# KiCad board NoU2-panelized2.kicad_pcb (continued)
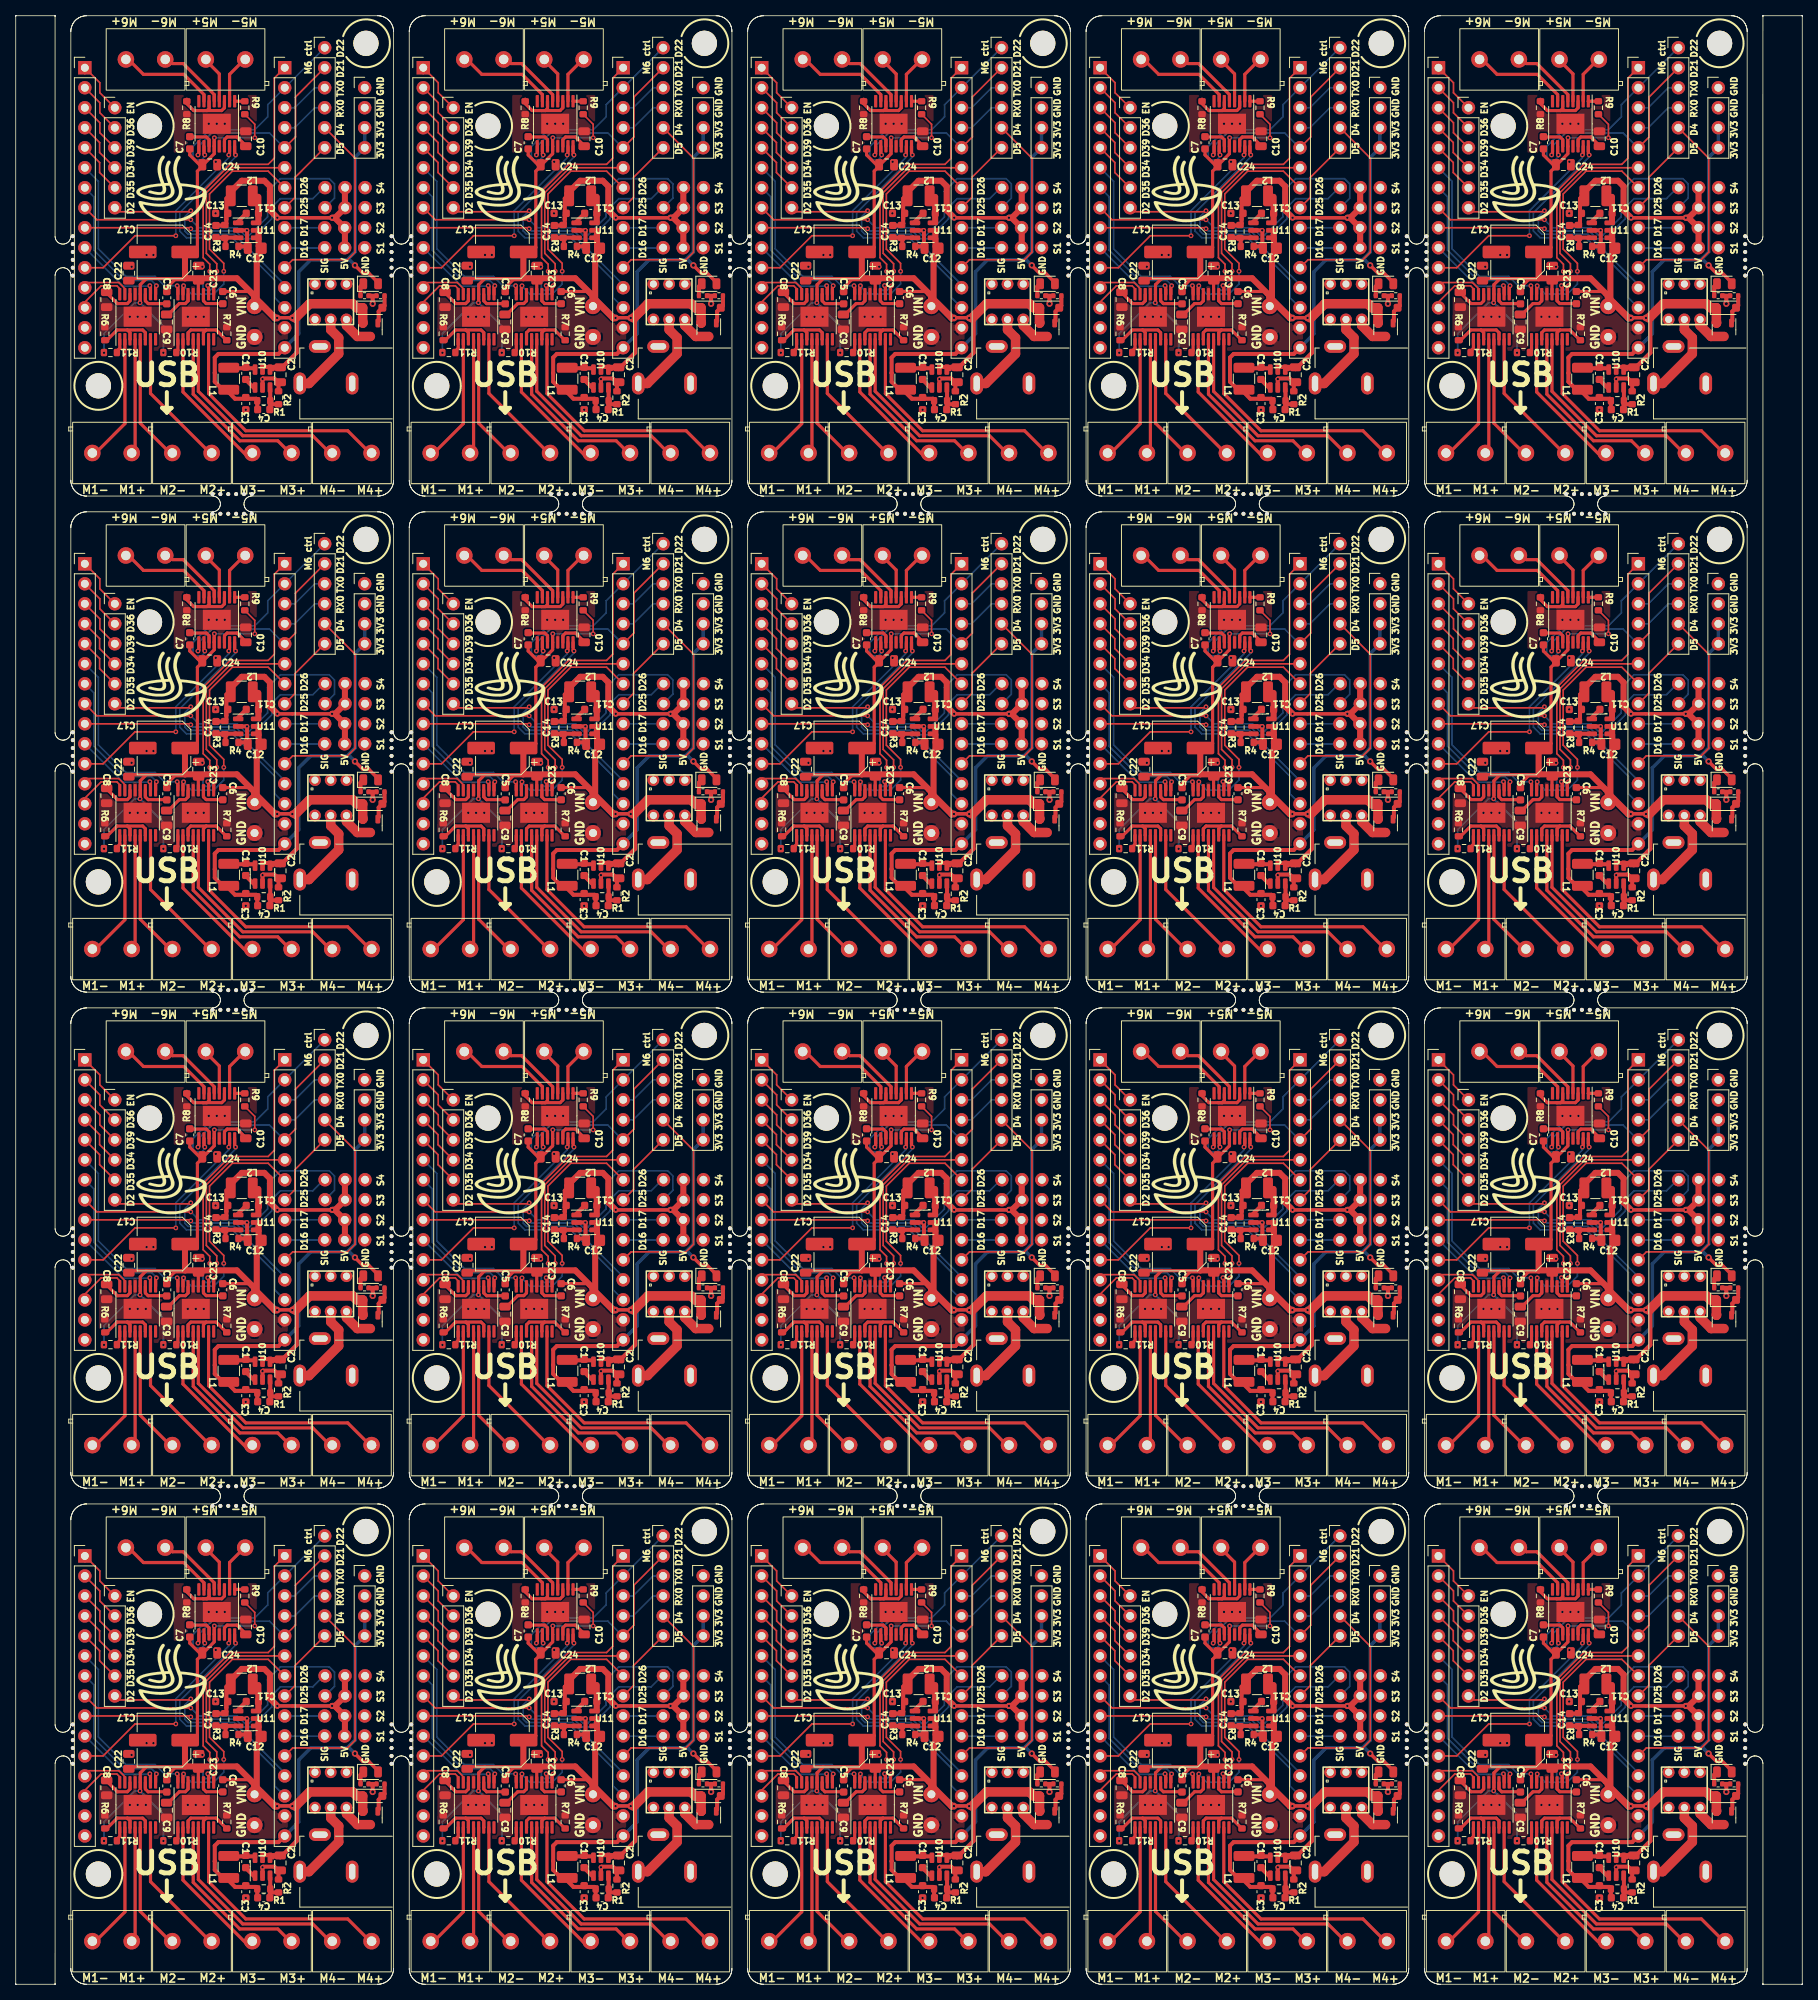
[diagram p0: board, top side]
## Routing (per net, layer and track width the routed paths; a pad name or vN(x,y) marks a point on that pad's centre or on a via; arc(x,y) is an arc through that point) (continued)
  Top w0.508: C11#20.2 157.08,34.7 157.06,34.7
Board_18-Net-(U11-FB): length 3.7
  Top w0.508: 157.06,32.8 157.04,32.82 C14#9.1 ; R3#6.2 155.65,32.69 R4#6.1
Board_18-Net-(U11-LX): length 3.5
  Top w0.508: 159.7,37.99 159.65,38.04 ; 159.68,35.75 C11#20.1 159.7,36.04
  Top w0.762: 159.83,34.81 159.83,35.86 ; 159.83,36.06 159.83,38
Board_18-RX0: length 6.1
  Bottom w0.203: J5#16.4 164.45,46.78 166.99,49.32 J1#19.4
Board_18-SRV1: length 5.1
  Top w0.203: 163.21,31.51 J5#16.10
  Bottom w0.203: 168.28,31.51 163.21,31.51
Board_18-SRV2: length 5.1
  Bottom w0.203: J5#16.9 168.25,34.08
Board_18-SRV3: length 41.8
  Top w0.203: J2#5.8 139.3,35.09 v2(151.24,35.09)
  Bottom w0.203: v2(151.24,35.09) 152.26,34.08 157.15,34.08 158.08,33.14 158.68,33.14 161,35.46 161,38.68 162.63,40.31 168.83,40.31 169.5,39.64 169.5,37.83 168.28,36.62
Board_18-SRV4: length 34.6
  Top w0.203: J2#5.9 151.15,34.08 v2(151.24,33.95)
  Bottom w0.203: v2(151.24,33.95) 151.52,33.67 156.91,33.67 157.91,32.68 158.99,32.68 161.53,35.22 161.53,36.67 162.63,37.77 166.75,37.77 168.13,39.16 168.28,39.16
Board_18-TX0: length 6.1
  Bottom w0.203: J5#16.3 164.45,49.32 166.99,51.86 J1#19.3
Board_18-VIN: length 119.5
  Top w0.203: v2(159.37,45.51) 159.37,47.22 R9#20.2
  Top w0.25: J14#20.1 159.74,24.51 159.74,25.1
  Top w0.399: C24#7.1 152.36,42.08 151.11,43.32 C7#4.1 ; C24#7.1 152.7,41.89 152.08,41.26 152.08,31.59 151.5,31 C17#20.1 ; C24#7.1 152.82,42.08 154.22,43.48 U2#10.12 154.21,44.43 154.21,45.51 ; 149.16,27.42 148.19,26.46 C5#19.1 ; 158.01,48.4 R9#20.2 ; 150.54,27.62 145.6,27.62 144.82,26.84 144.82,24.56 144.81,24.55 ; C6#12.1 158.78,25.98 159.04,25.72 ; 152.21,27.36 152.2,27.35 U3#14.12 ; C22#14.1 143.61,27.6 ; 143.65,27.62 145.63,27.62 ; 150.49,27.47 149.32,27.47
  Top w0.432: v2(162.21,22.62) 162.25,22.65 164.11,22.65 v2(164.14,22.62)
  Top w0.508: 160.65,16.4 161.27,16.4 ; 159.86,30.72 159.86,30.95 C12#4.2 ; 159.86,32.61 159.68,32.8 ; 161.53,16.27 161.69,16.11 ; 162.6,16.11 162.77,16.28 162.79,16.28 164.7,18.2 164.7,22.46 164.54,22.62 ; 162.52,16.41 161.61,16.41
  Top w0.762: C17#20.1 150.5,30.97 150.5,27.66 ; 159.85,32.7 159.85,33.65 ; 150.57,27.66 157.1,27.66 159.34,25.41 J14#20.1 159.62,24.4 159.62,30.48 159.86,30.72 159.86,32.61
  Top w0.864: v2(162.21,22.62) 161.93,22.62 159.34,25.21 159.34,25.41 ; 164.54,22.62 v2(164.14,22.62)
  Top w1.2: 173.11,22.12 Q1#9.2 173.09,22 D3#20.1 172.32,23.92 171.81,24.42 166.34,24.42 164.54,22.62
  Bottom w0.203: 154.21,45.51 v2(159.37,45.51) ; v2(140.22,18.2) 140.22,20.64 144.13,24.55 v2(144.79,24.55)
  Bottom w0.25: v2(144.79,24.55) 147.76,21.58 v2(147.76,18.2)
  Bottom w0.432: v2(162.21,22.62) 162.25,22.65 164.11,22.65 v2(164.14,22.62)
  vias: v2(154.24,45.51)
Board_19-3V3: length 60.9
  Top w0.432: v1(215.1,29.3) 216.1,28.3 216.85,28.3 218.04,27.11 D1#19.2
  Top w0.508: 199.07,13.37 198.94,13.5 198.94,13.29 199.87,12.36 202.56,12.36 202.81,12.11 ; 202.81,11.04 202.86,10.99 ; 199.2,13.25 198.56,13.25 197.29,14.52 197.29,15.63 197.29,15.63 197.29,17.59 197.75,18.05 205.39,18.05 J5#3.15 ; R1#2.1 202.69,11.04
  Bottom w0.432: J3#9.3 J3#9.4 215.11,43.01 215.11,31.01 214.12,30.01 ; v1(215.1,29.3) 214.39,30.01 214.12,30.01 ; 214.12,30.01 209.48,30.01 207.96,28.49 207.96,20.62 J5#3.15
Board_19-5V: length 40.3
  Top w0.432: v2(212.2,35.35) v2(205.24,35.35)
  Top w0.508: C14#16.2 198.5,34.37 R3#5.1 198.76,34.63 198.76,35.14 ; 199.11,38.14 198.76,37.79 198.76,35.14 ; 198.76,35.14 198.76,35.69 198.98,35.9 198.98,36.1
  Top w0.762: 213.82,31.51 213.82,34.05 212.53,35.35 v2(212.2,35.35) 212.58,35.35 213.82,36.59 213.82,39.16 ; v2(205.24,35.35) 204.3,36.29 204.3,39.33 203.59,40.05 201.58,40.05 201.58,40.04 200.72,40.04 199.11,38.43 199.11,38.14
  Bottom w0.432: v2(205.24,35.35) v2(212.2,35.35)
Board_19-/Sheet6057E9B8/D34: length 6.7
  Top w0.203: J4#20.4 182.66,43.63 182.66,44.9 J2#6.4
Board_19-/Sheet6057E9B8/D35: length 6.7
  Top w0.203: J4#20.5 182.66,41.09 182.66,42.36 J2#6.5
Board_19-/Sheet6057E9B8/D36: length 6.7
  Top w0.203: J2#6.2 182.68,49.95 182.68,48.68 J4#20.2
Board_19-/Sheet6057E9B8/D39: length 6.7
  Top w0.203: J4#20.3 182.68,46.14 182.68,47.41 J2#6.3
Board_19-/Sheet6057E9B8/EN: length 7.3
  Top w0.203: J4#20.1 182.68,51.22 182.68,52.49 J2#6.1
  Top w0.399: 180.78,53.76 J2#6.1
Board_19-D2: length 28.7
  Top w0.203: v2(194.24,36.24) 194.11,36.11 185.1,36.11 J4#20.6
  Bottom w0.203: J5#3.12 206.18,26.84 199.77,33.25 193.9,33.25 193.48,33.67 193.48,35.47 v2(194.24,36.24)
Board_19-D4: length 27.2
  Top w0.203: J5#3.11 207.19,30.01 214.15,30.01 215.12,30.98 215.12,42.92 J1#4.5
Board_19-D5: length 9.7
  Top w0.203: J5#3.8 207.5,37.94 207.5,40.48 J1#4.6
Board_19-GND: length 11.5
  Top w0.508: 201.32,10.98 201.33,10.98 ; R4#16.2 201.31,31.71 201.4,31.8 201.4,33.72 v2(201.38,33.75) 200.06,33.75 ; R5#8.2 217.1,25.44 ; 217.1,25.44 R14#9.2 ; 217.1,25.44 217.36,25.19 v1(217.36,24.42) ; R2#18.2 205.39,14.24 205.61,14.46 205.33,14.46 204.86,14.93 203.43,14.93 v2(203.36,14.86) 203.36,13.61
  vias: v2(186.49,22.77) v2(186.72,29.12) v2(187.5,22.77) v2(188.53,22.77) v2(188.63,30.62) v2(189.49,30.62) v2(193.86,22.77) v2(194.88,22.77) v2(195.71,29.12) v2(195.89,22.77) v2(196.53,47.28) v2(197.42,42.46) v2(197.39,35.9) v2(197.54,47.28) v2(198.56,47.28) v2(201.23,10.96)
Board_19-M1A: length 6.9
  Top w0.203: 185.22,25.64 185.22,26.33 184.85,26.7 182.85,26.7 180.78,24.63 J2#6.13
Board_19-M1B: length 6.8
  Top w0.203: J2#6.12 180.78,27.12 185.1,27.12 185.87,26.34 185.87,25.64
Board_19-M2A: length 11.3
  Top w0.399: 189.03,26.66 189.12,26.57 189.12,25.64
  Bottom w0.203: J2#6.10 185.66,26.66 189.03,26.66
  vias: v2(189.03,26.72)
Board_19-M2B: length 19.4
  Top w0.399: 189.77,25.64 189.77,26.56 189.87,26.66
  Bottom w0.203: J2#6.7 181.93,38 181.93,31.22 185.78,27.37 189.26,27.37 189.87,26.76 v2(189.87,26.71) 189.87,26.66 189.87,26.72
Board_19-M3A: length 24
  Top w0.399: 192.51,26.66 192.6,26.57 U3#19.16
  Bottom w0.203: v2(192.51,26.72) 190.88,26.72 189.7,27.9 186,27.9 182.5,31.4 182.5,39.97 J2#6.6
Board_19-M3B: length 30.9
  Top w0.203: J5#3.7 204.07,41.26 199.52,41.26 196.62,38.36 196.62,31.36 198.43,29.55 v2(198.43,28.54) ; 193.25,26.58 193.33,26.66
  Top w0.399: U3#19.15 193.25,26.58
  Bottom w0.203: v2(198.43,28.54) 198.43,26.93 197.15,25.65 194.34,25.65 193.33,26.66
  vias: v2(193.33,26.71)
Board_19-M4A: length 25.2
  Top w0.203: J5#3.6 199.39,41.7 196.22,38.53 196.22,30.83 197.54,29.5 v2(197.54,28.54)
  Top w0.399: 196.4,26.66 196.5,26.56 U3#19.10
  Bottom w0.203: v2(197.54,28.54) 197.54,27.82 196.4,26.67 196.4,26.66
  vias: v2(196.4,26.74)
Board_19-M4B: length 38.7
  Top w0.203: v2(196.65,28.54) 196.65,29.44 195.82,30.28 195.82,38.7 199.24,42.13 204.07,42.13 204.86,42.92 204.86,53.08 J5#3.1
  Top w0.399: U3#19.9 197.15,26.55 197.26,26.66
  Bottom w0.203: v2(197.29,26.71) 196.71,26.13 196.11,26.13 195.79,26.44 195.79,27.12 196.65,27.98 v2(196.65,28.54)
Board_19-M5A: length 32.5
  Top w0.399: 199.93,43.37 v2(199.93,43.32) 199.82,43.43 U2#18.16
  Bottom w0.203: v2(199.93,43.32) 199.93,43.07 192.84,35.98 192.84,33.65 193.69,32.81 199.51,32.81 204.91,27.41 204.91,25.19 206.18,23.92 J5#3.13
Board_19-M5B: length 27.4
  Top w0.203: J2#6.11 183.1,29 187.16,33.06 v2(192.34,33.06)
  Top w0.399: 199.07,43.37 199.17,43.47 U2#18.15
  Bottom w0.203: 199.07,43.37 199.07,42.97 192.34,36.24 v2(192.34,33.06)
  vias: v2(199.07,43.32)
Board_19-M6A: length 27.3
  Top w0.203: 211.25,56.94 J1#4.1
  Top w0.399: 196.02,43.37 195.92,43.47 U2#18.10
  Bottom w0.203: v2(196.02,43.32) 196.02,43.12 195.59,42.69 194.85,42.69 194.53,43.02 194.53,44.39 196.65,46.52 202.37,46.52 204.02,48.17 204.02,49.7 J5#3.2 211.25,56.94
Board_19-M6B: length 26.9
  Top w0.203: J5#3.5 207.55,45.61 207.55,50.69 J1#4.2
  Top w0.399: U2#18.9 195.27,43.49 195.16,43.37
  Bottom w0.203: 195.16,43.37 195.27,43.49 195.27,44.46 196.92,46.11 204.24,46.11 206.11,44.24 J5#3.5
  vias: v2(195.16,43.32)
Board_19-Net-(D1-K): length 1.7
  Top w0.508: R14#9.1 215.81,26.61 D1#19.1
Board_19-Net-(D3-A): length 3.7
  Top w0.508: 218.01,22.12 218.12,22.23 218.12,23.45 D3#16.2 218.86,24.19 R5#8.1
Board_19-Net-(J10-Pad1): length 11.3
  Top w1.2: 208.08,14.3 209.26,14.3 213.04,18.07 213.04,20.11 212.02,21.12 U4#9.5
Board_19-Net-(J11-Pin_1): length 14.9
  Top w0.399: 187.17,19.91 187.17,5.42 186.88,5.12
Board_19-Net-(J11-Pin_2): length 16.5
  Top w0.399: 185.87,19.91 185.87,9.2 181.8,5.12
Board_19-Net-(J15-Pin_1): length 18.1
  Top w0.399: 189.12,19.91 189.12,13.03 197.03,5.12
Board_19-Net-(J15-Pin_2): length 16.5
  Top w0.399: 191.96,5.12 187.82,9.25 187.82,19.91
Board_19-Net-(J16-Pin_1): length 22.9
  Top w0.399: U3#19.4 194.55,12.94 200.47,7.02 205.3,7.02 207.19,5.12
Board_19-Net-(J16-Pin_2): length 18.9
  Top w0.399: U3#19.2 193.25,13.22 201.35,5.12 202.12,5.12
Board_19-Net-(J17-Pin_1): length 31
  Top w0.399: 217.36,5.12 214.18,8.3 201.23,8.3 196.5,13.02 U3#19.7
Board_19-Net-(J17-Pin_2): length 27.1
  Top w0.399: U3#19.5 195.2,13.3 200.84,7.66 209.74,7.66 212.28,5.12
Board_19-Net-(J18-Pin_1): length 6.4
  Top w0.399: 196.15,55.79 196.15,55.34 197.87,53.61 U2#18.4
Board_19-Net-(J18-Pin_2): length 6.5
  Top w0.399: 201.23,55.79 201.23,55.62 199.17,53.56 U2#18.2
Board_19-Net-(J19-Pin_1): length 12.8
  Top w0.399: 185.99,55.79 188.22,53.56 193.35,53.56 195.92,50.99 U2#18.7
Board_19-Net-(J19-Pin_2): length 9
  Top w0.399: U2#18.5 197.22,50.99 193.28,54.93 191.93,54.93 191.07,55.79
Board_19-Net-(Q1-D): length 4.4
  Top w1.2: Q1#14.3 215.41,20.27 214.02,21.66 U4#9.6
Board_19-Net-(U1-AISEN): length 7.8
  Top w0.399: 183.7,19.66 183.7,19.91 184.89,21.1 186.18,21.1 ; 186.52,19.91 186.52,19.91 186.52,20.75 186.18,21.1 ; 186.18,21.1 188.13,21.1 188.47,20.75 188.47,19.91 188.47,19.91
Board_19-Net-(U1-nSLEEP): length 1.8
  Top w0.399: 184.78,18.33 185.22,18.77 185.22,19.91
Board_19-Net-(U1-VCP): length 3.7
  Top w0.399: 188.47,25.64 188.47,24.79 188.82,24.44 191.16,24.44 C5#20.2
Board_19-Net-(U1-VINT): length 4.6
  Top w0.399: C8#18.1 183.55,25.81 184.91,24.45 186.18,24.45 186.52,24.79 186.52,25.64
Board_19-Net-(U2-AISEN): length 8.5
  Top w0.399: U2#18.3 198.52,49.3 198.17,48.96 195.79,48.96 ; 195.79,48.96 196.3,48.96 196.57,49.23 U2#18.6 ; 195.79,48.96 194.61,48.96 193.73,49.84 193.73,50.4
Board_19-Net-(U2-nSLEEP): length 1.3
  Top w0.399: U2#18.1 199.82,50.14 R9#5.1
Board_19-Net-(U2-VCP): length 3.5
  Top w0.399: C7#7.2 194.15,45.61 196.22,45.61 196.57,45.27 U2#18.11
Board_19-Net-(U2-VINT): length 4.2
  Top w0.399: U2#18.14 198.52,45.27 198.86,45.61 200.12,45.61 201.23,44.51 C10#12.1
Board_19-Net-(U3-AISEN): length 7.8
  Top w0.399: 196.19,21.1 197.47,21.1 198.69,19.89 198.69,19.66 ; 196.19,21.1 194.24,21.1 193.9,20.75 U3#19.3 193.9,19.91 ; 196.19,21.1 195.85,20.75 U3#19.6 195.84,19.9
Board_19-Net-(U3-nSLEEP): length 1.7
  Top w0.399: U3#19.1 192.6,18.53 192.4,18.33
Board_19-Net-(U3-VCP): length 3.4
  Top w0.399: C6#20.2 198.28,24.45 196.19,24.45 195.85,24.79 U3#19.11
Board_19-Net-(U3-VINT): length 4.3
  Top w0.399: C9#13.1 191.4,23.06 192.78,24.45 193.56,24.45 193.9,24.79 U3#19.14
Board_19-Net-(U10-BS): length 1.7
  Top w0.508: 201.2,14.8 202.37,13.63 ; 201.33,14.81 201.33,14.78
Board_19-Net-(U10-FB): length 4.1
  Top w0.508: C4#20.1 204.29,12.06 ; 204.29,12.06 R1#2.2 204.34,13.59 ; 204.29,12.06 204.29,11.84 204.46,11.66 R2#18.1 ; 204.41,12.06 204.46,12.11
Board_19-Net-(U10-LX): length 3.3
  Top w0.508: 202.43,16.23 199.15,16.23
Board_19-Net-(U11-BS): length 1.7
  Top w0.508: C11#9.2 200.08,34.7 200.06,34.7
Board_19-Net-(U11-FB): length 3.7
  Top w0.508: 200.06,32.8 200.04,32.82 C14#16.1 ; R3#5.2 198.65,32.69 R4#16.1
Board_19-Net-(U11-LX): length 3.5
  Top w0.508: 202.7,37.99 202.65,38.04 ; 202.68,35.75 C11#9.1 202.7,36.04
  Top w0.762: 202.83,34.81 202.83,35.86 ; 202.83,36.06 202.83,38
Board_19-RX0: length 6.1
  Bottom w0.203: J5#3.4 207.45,46.78 209.99,49.32 J1#4.4
Board_19-SRV1: length 5.1
  Top w0.203: 206.21,31.51 J5#3.10
  Bottom w0.203: 211.28,31.51 206.21,31.51
Board_19-SRV2: length 5.1
  Bottom w0.203: J5#3.9 211.25,34.08
Board_19-SRV3: length 41.8
  Top w0.203: J2#6.8 182.3,35.09 v2(194.24,35.09)
  Bottom w0.203: v2(194.24,35.09) 195.26,34.08 200.15,34.08 201.08,33.14 201.68,33.14 204,35.46 204,38.68 205.63,40.31 211.83,40.31 212.5,39.64 212.5,37.83 211.28,36.62
Board_19-SRV4: length 34.6
  Top w0.203: J2#6.9 194.15,34.08 v2(194.24,33.95)
  Bottom w0.203: v2(194.24,33.95) 194.52,33.67 199.91,33.67 200.91,32.68 201.99,32.68 204.53,35.22 204.53,36.67 205.63,37.77 209.75,37.77 211.13,39.16 211.28,39.16
Board_19-TX0: length 6.1
  Bottom w0.203: J5#3.3 207.45,49.32 209.99,51.86 J1#4.3
Board_19-VIN: length 119.5
  Top w0.203: v2(202.37,45.51) 202.37,47.22 R9#5.2
  Top w0.25: J14#16.1 202.74,24.51 202.74,25.1
  Top w0.399: C24#18.1 195.36,42.08 194.11,43.32 C7#7.1 ; C24#18.1 195.7,41.89 195.08,41.26 195.08,31.59 194.5,31 C17#8.1 ; C24#18.1 195.82,42.08 197.22,43.48 U2#18.12 197.21,44.43 197.21,45.51 ; 192.16,27.42 191.19,26.46 C5#20.1 ; 201.01,48.4 R9#5.2 ; 193.54,27.62 188.6,27.62 187.82,26.84 187.82,24.56 187.81,24.55 ; C6#20.1 201.78,25.98 202.04,25.72 ; 195.21,27.36 195.2,27.35 U3#19.12 ; C22#11.1 186.61,27.6 ; 186.65,27.62 188.63,27.62 ; 193.49,27.47 192.32,27.47
  Top w0.432: v2(205.21,22.62) 205.25,22.65 207.11,22.65 v2(207.14,22.62)
  Top w0.508: 203.65,16.4 204.27,16.4 ; 202.86,30.72 202.86,30.95 C12#8.2 ; 202.86,32.61 202.68,32.8 ; 204.53,16.27 204.69,16.11 ; 205.6,16.11 205.77,16.28 205.79,16.28 207.7,18.2 207.7,22.46 207.54,22.62 ; 205.52,16.41 204.61,16.41
  Top w0.762: C17#8.1 193.5,30.97 193.5,27.66 ; 202.85,32.7 202.85,33.65 ; 193.57,27.66 200.1,27.66 202.34,25.41 J14#16.1 202.62,24.4 202.62,30.48 202.86,30.72 202.86,32.61
  Top w0.864: v2(205.21,22.62) 204.93,22.62 202.34,25.21 202.34,25.41 ; 207.54,22.62 v2(207.14,22.62)
  Top w1.2: 216.11,22.12 Q1#14.2 216.09,22 D3#16.1 215.32,23.92 214.81,24.42 209.34,24.42 207.54,22.62
  Bottom w0.203: 197.21,45.51 v2(202.37,45.51) ; v2(183.22,18.2) 183.22,20.64 187.13,24.55 v2(187.79,24.55)
  Bottom w0.25: v2(187.79,24.55) 190.76,21.58 v2(190.76,18.2)
  Bottom w0.432: v2(205.21,22.62) 205.25,22.65 207.11,22.65 v2(207.14,22.62)
  vias: v2(197.24,45.51)

## Copper pours and planes (outline as drawn; the poured copper is in the pictures)
Board_0-GND on Top: 30.62,232.63 20.08,232.63 20.08,239.94 30.62,239.94
Board_0-GND on Top: 33.19,211.58 34.23,211.63 34.56,211.34 34.56,208.28 34.43,208.02 33.95,207.61 33.52,207.46 10.56,207.44 10.58,215.64 29.15,215.64
Board_0-GND on Bottom: 48,189.01 7,189.01 7,250 48,250
Board_1-GND on Top: 73.62,232.63 63.08,232.63 63.08,239.94 73.62,239.94
Board_1-GND on Top: 76.19,211.58 77.23,211.63 77.56,211.34 77.56,208.28 77.43,208.02 76.95,207.61 76.52,207.46 53.56,207.44 53.58,215.64 72.15,215.64
Board_1-GND on Bottom: 91,189.01 50,189.01 50,250 91,250
Board_2-GND on Top: 116.62,232.63 106.08,232.63 106.08,239.94 116.62,239.94
Board_2-GND on Top: 119.19,211.58 120.23,211.63 120.56,211.34 120.56,208.28 120.43,208.02 119.95,207.61 119.52,207.46 96.56,207.44 96.58,215.64 115.15,215.64
Board_2-GND on Bottom: 134,189.01 93,189.01 93,250 134,250
Board_3-GND on Top: 159.62,232.63 149.08,232.63 149.08,239.94 159.62,239.94
Board_3-GND on Top: 162.19,211.58 163.23,211.63 163.56,211.34 163.56,208.28 163.43,208.02 162.95,207.61 162.52,207.46 139.56,207.44 139.58,215.64 158.15,215.64
Board_3-GND on Bottom: 177,189.01 136,189.01 136,250 177,250
Board_4-GND on Top: 202.62,232.63 192.08,232.63 192.08,239.94 202.62,239.94
Board_4-GND on Top: 205.19,211.58 206.23,211.63 206.56,211.34 206.56,208.28 206.43,208.02 205.95,207.61 205.52,207.46 182.56,207.44 182.58,215.64 201.15,215.64
Board_4-GND on Bottom: 220,189.01 179,189.01 179,250 220,250
Board_5-GND on Top: 30.62,169.63 20.08,169.63 20.08,176.94 30.62,176.94
Board_5-GND on Top: 33.19,148.58 34.23,148.63 34.56,148.34 34.56,145.28 34.43,145.02 33.95,144.61 33.52,144.46 10.56,144.44 10.58,152.64 29.15,152.64
Board_5-GND on Bottom: 48,126.01 7,126.01 7,187 48,187
Board_6-GND on Top: 73.62,169.63 63.08,169.63 63.08,176.94 73.62,176.94
Board_6-GND on Top: 76.19,148.58 77.23,148.63 77.56,148.34 77.56,145.28 77.43,145.02 76.95,144.61 76.52,144.46 53.56,144.44 53.58,152.64 72.15,152.64
Board_6-GND on Bottom: 91,126.01 50,126.01 50,187 91,187
Board_7-GND on Top: 116.62,169.63 106.08,169.63 106.08,176.94 116.62,176.94
Board_7-GND on Top: 119.19,148.58 120.23,148.63 120.56,148.34 120.56,145.28 120.43,145.02 119.95,144.61 119.52,144.46 96.56,144.44 96.58,152.64 115.15,152.64
Board_7-GND on Bottom: 134,126.01 93,126.01 93,187 134,187
Board_8-GND on Top: 159.62,169.63 149.08,169.63 149.08,176.94 159.62,176.94
Board_8-GND on Top: 162.19,148.58 163.23,148.63 163.56,148.34 163.56,145.28 163.43,145.02 162.95,144.61 162.52,144.46 139.56,144.44 139.58,152.64 158.15,152.64
Board_8-GND on Bottom: 177,126.01 136,126.01 136,187 177,187
Board_9-GND on Top: 202.62,169.63 192.08,169.63 192.08,176.94 202.62,176.94
Board_9-GND on Top: 205.19,148.58 206.23,148.63 206.56,148.34 206.56,145.28 206.43,145.02 205.95,144.61 205.52,144.46 182.56,144.44 182.58,152.64 201.15,152.64
Board_9-GND on Bottom: 220,126.01 179,126.01 179,187 220,187
Board_10-GND on Top: 30.62,106.63 20.08,106.63 20.08,113.94 30.62,113.94
Board_10-GND on Top: 33.19,85.58 34.23,85.63 34.56,85.34 34.56,82.28 34.43,82.02 33.95,81.61 33.52,81.46 10.56,81.44 10.58,89.64 29.15,89.64
Board_10-GND on Bottom: 48,63.01 7,63.01 7,124 48,124
Board_11-GND on Top: 73.62,106.63 63.08,106.63 63.08,113.94 73.62,113.94
Board_11-GND on Top: 76.19,85.58 77.23,85.63 77.56,85.34 77.56,82.28 77.43,82.02 76.95,81.61 76.52,81.46 53.56,81.44 53.58,89.64 72.15,89.64
Board_11-GND on Bottom: 91,63.01 50,63.01 50,124 91,124
Board_12-GND on Top: 116.62,106.63 106.08,106.63 106.08,113.94 116.62,113.94
Board_12-GND on Top: 119.19,85.58 120.23,85.63 120.56,85.34 120.56,82.28 120.43,82.02 119.95,81.61 119.52,81.46 96.56,81.44 96.58,89.64 115.15,89.64
Board_12-GND on Bottom: 134,63.01 93,63.01 93,124 134,124
Board_13-GND on Top: 159.62,106.63 149.08,106.63 149.08,113.94 159.62,113.94
Board_13-GND on Top: 162.19,85.58 163.23,85.63 163.56,85.34 163.56,82.28 163.43,82.02 162.95,81.61 162.52,81.46 139.56,81.44 139.58,89.64 158.15,89.64
Board_13-GND on Bottom: 177,63.01 136,63.01 136,124 177,124
Board_14-GND on Top: 202.62,106.63 192.08,106.63 192.08,113.94 202.62,113.94
Board_14-GND on Top: 205.19,85.58 206.23,85.63 206.56,85.34 206.56,82.28 206.43,82.02 205.95,81.61 205.52,81.46 182.56,81.44 182.58,89.64 201.15,89.64
Board_14-GND on Bottom: 220,63.01 179,63.01 179,124 220,124
Board_15-GND on Top: 30.62,43.63 20.08,43.63 20.08,50.94 30.62,50.94
Board_15-GND on Top: 33.19,22.58 34.23,22.63 34.56,22.34 34.56,19.28 34.43,19.02 33.95,18.61 33.52,18.46 10.56,18.44 10.58,26.64 29.15,26.64
Board_15-GND on Bottom: 48,0.01 7,0.01 7,61 48,61
Board_16-GND on Top: 73.62,43.63 63.08,43.63 63.08,50.94 73.62,50.94
Board_16-GND on Top: 76.19,22.58 77.23,22.63 77.56,22.34 77.56,19.28 77.43,19.02 76.95,18.61 76.52,18.46 53.56,18.44 53.58,26.64 72.15,26.64
Board_16-GND on Bottom: 91,0.01 50,0.01 50,61 91,61
Board_17-GND on Top: 116.62,43.63 106.08,43.63 106.08,50.94 116.62,50.94
Board_17-GND on Top: 119.19,22.58 120.23,22.63 120.56,22.34 120.56,19.28 120.43,19.02 119.95,18.61 119.52,18.46 96.56,18.44 96.58,26.64 115.15,26.64
Board_17-GND on Bottom: 134,0.01 93,0.01 93,61 134,61
Board_18-GND on Top: 159.62,43.63 149.08,43.63 149.08,50.94 159.62,50.94
Board_18-GND on Top: 162.19,22.58 163.23,22.63 163.56,22.34 163.56,19.28 163.43,19.02 162.95,18.61 162.52,18.46 139.56,18.44 139.58,26.64 158.15,26.64
Board_18-GND on Bottom: 177,0.01 136,0.01 136,61 177,61
Board_19-GND on Top: 202.62,43.63 192.08,43.63 192.08,50.94 202.62,50.94
Board_19-GND on Top: 205.19,22.58 206.23,22.63 206.56,22.34 206.56,19.28 206.43,19.02 205.95,18.61 205.52,18.46 182.56,18.44 182.58,26.64 201.15,26.64
Board_19-GND on Bottom: 220,0.01 179,0.01 179,61 220,61

## Text on the board
B.Silkscreen: GND | VIN | © 2023 Alfredo Systems | Alfredo NoU V2.9.1
F.Silkscreen: EN | D36 | D39 | D34 | D35 | D2 | D26 | D25 | D17 | D16 | M6 ctrl | SIG | D22 | D21 | TX0 | RX0 | D4 | D5 | 5V | GND | 3V3 | S4 | S3 | S2 | S1 | M1- | M1+ | M2- | M2+ | M3- | M3+ | M4- | M4+ | M6+ | M6- | M5+ | M5- | VIN | USB
